# Altium PCB DeutschPCB.PcbDoc (part 2 of 2) (continued)
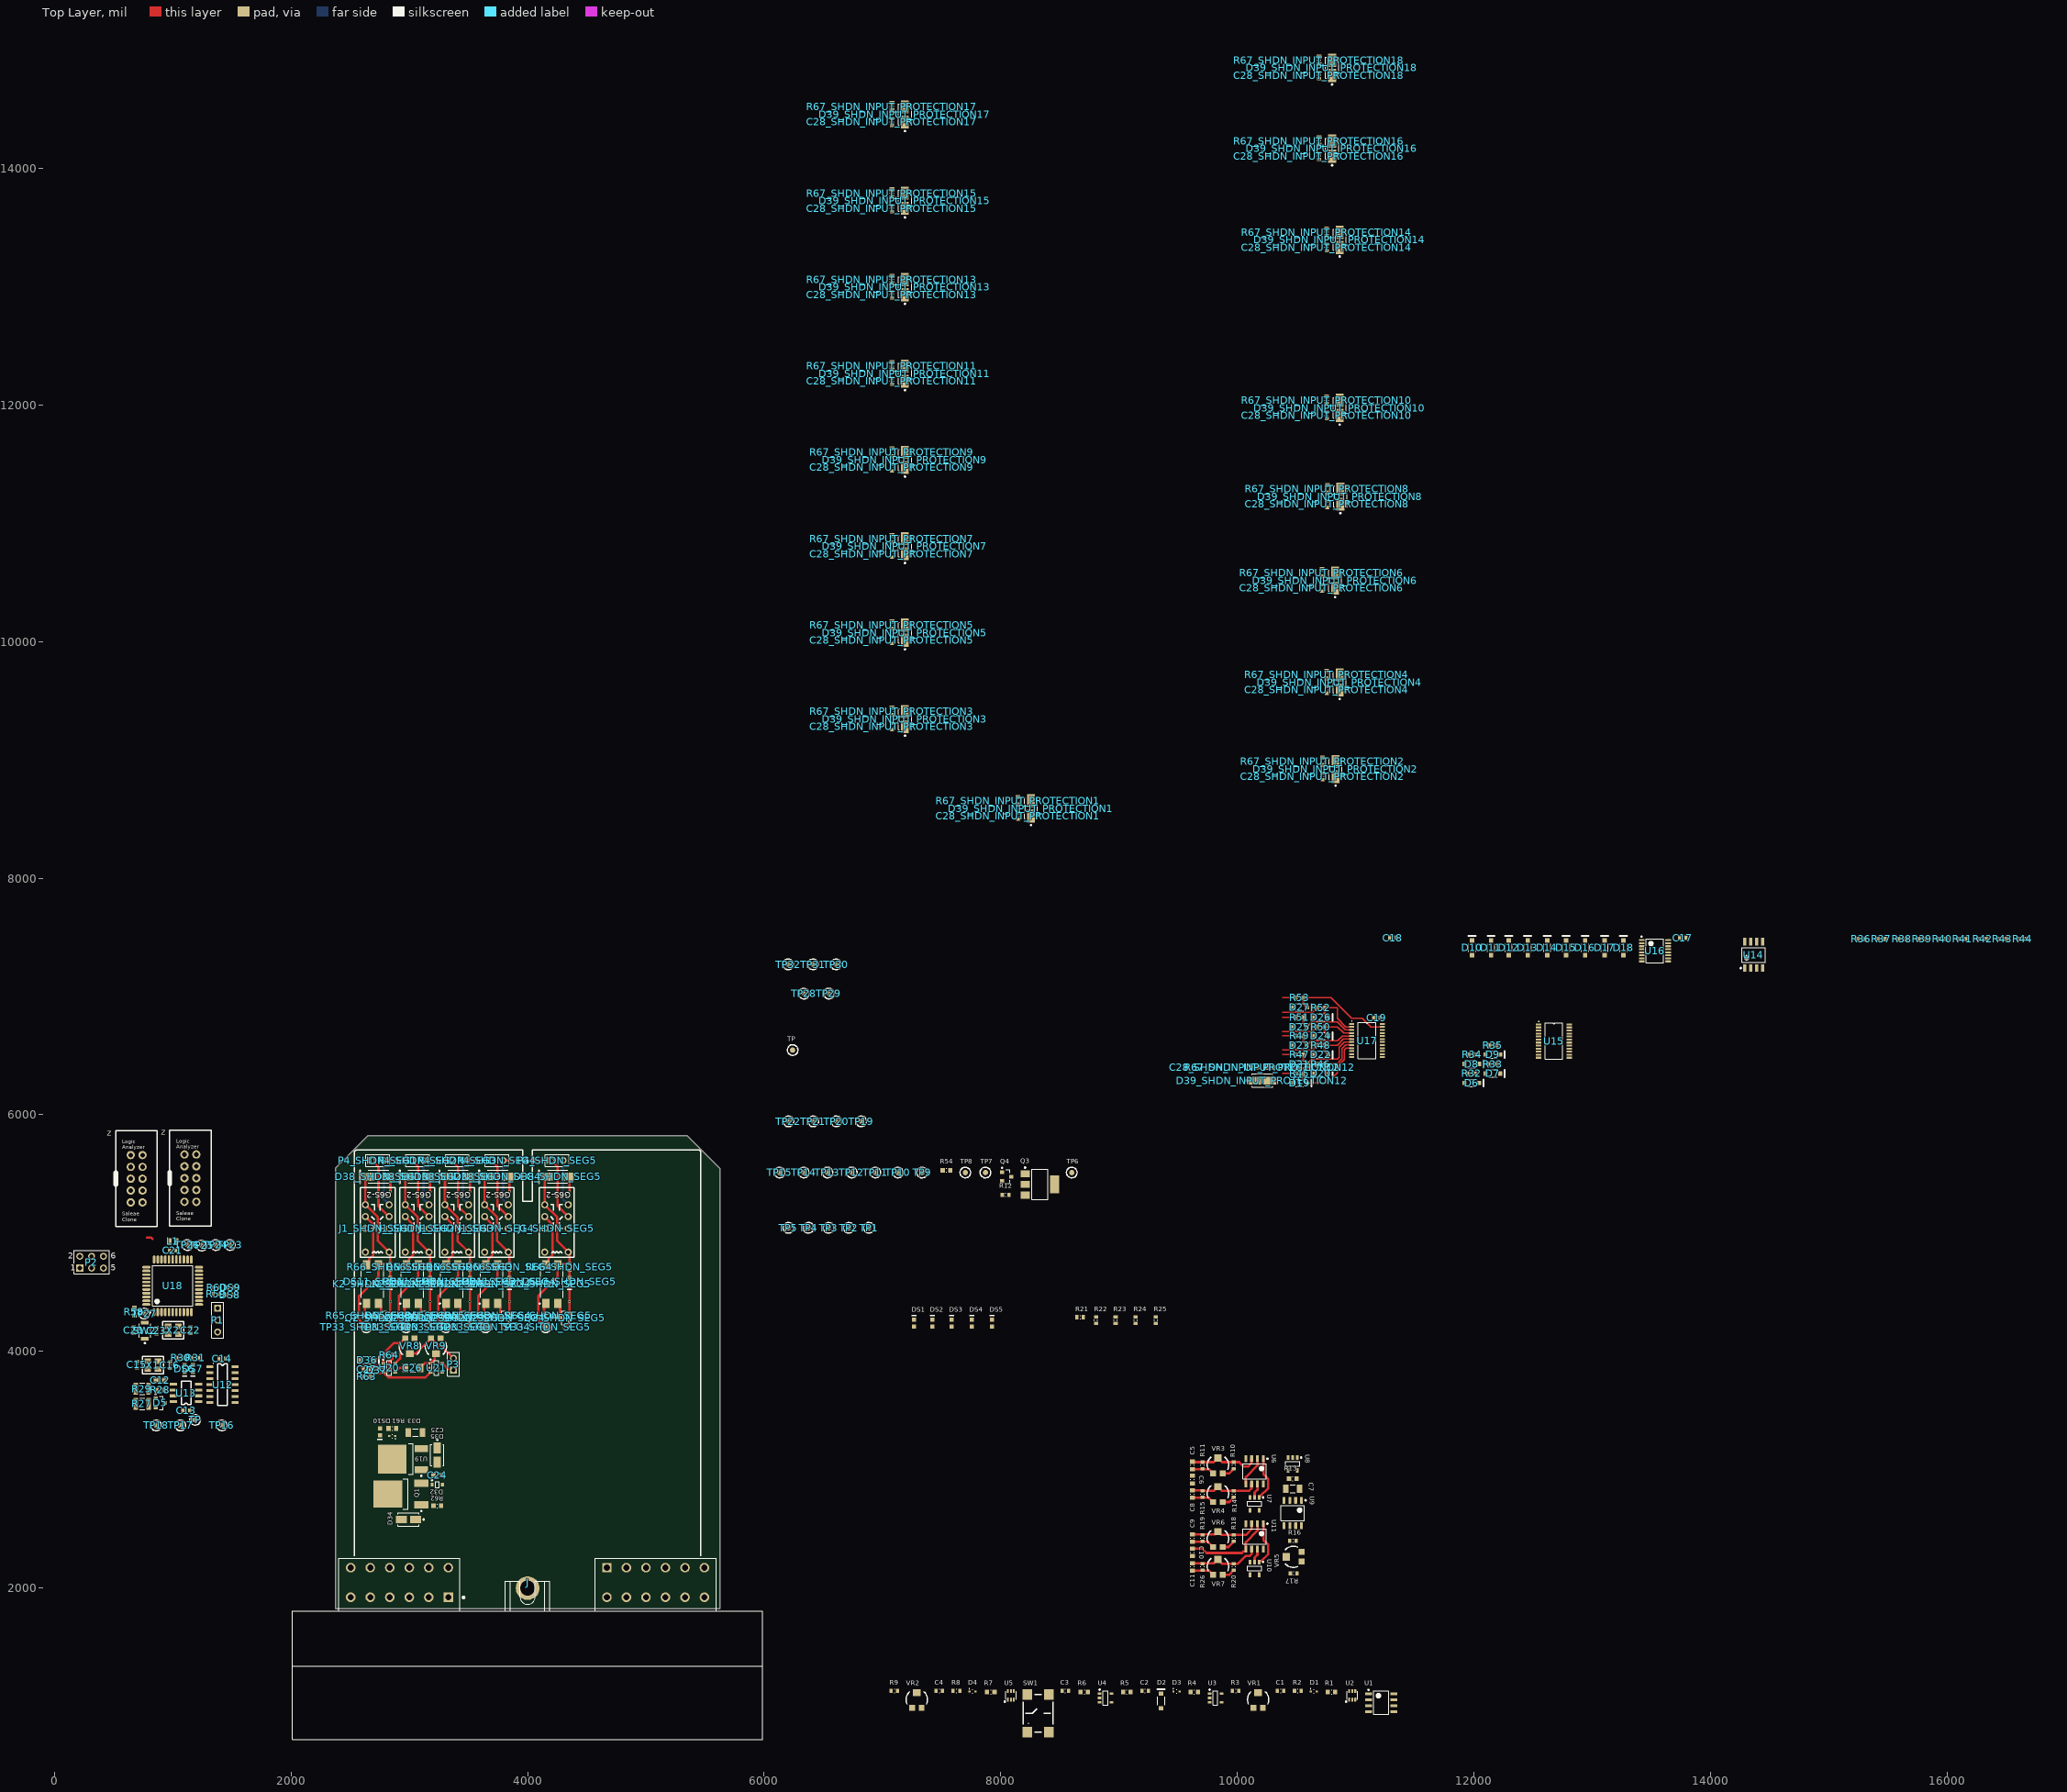
[diagram p0: Top Layer view]
## Nets (pads, with @x,y where several pads share a name; then routed paths per layer and width w, separated by ;. In a path a pad name is that pad's centre, name@x,y a point inside that pad or via, vN(x,y) a via of type N, cw(c..) or ccw(c..) an arc to the next point about the centre after c; other vN are vias at no path point) (continued)
  Top Layer w20: D36.1@2582.44,3926.65 2582.44,3881.1 2604.17,3859.37 2608.11,3859.37 2611.89,3855.59 C27.2@2611.89,3851.65 ; D37.2@2724.45,3815.67 2766.73,3815.67 2775.31,3824.25 U20.3@2780.24,3824.25 U20.3@2785.16,3824.25 ; D38_SHDN_SEG1.1@2824.02,5477.44 2840,5461.46 v2(2840,5350) v2@2840,5345 ; Q2_SHDN_SEG1.2@2838.74,4322.4 2839.37,4323.03 v1@2839.37,4420 ; DS11_SHDN_SEG1.2@2839.37,4560 v1@2839.37,4420 ; v1@2840,4425 v1(2840,4422.81) 2840,4420.63 v1@2839.37,4420 ; R64.1@2860.94,3971.65 2856.78,3967.49 2856.78,3935.99 2832.28,3911.5 2832.28,3846.5 2810.04,3824.25 U20.3@2785.16,3824.25 ; D38_SHDN_SEG2.1@3160.63,5477.44 3176.61,5461.46 v2(3176.61,5350) v2@3176.61,5345 ; Q2_SHDN_SEG2.2@3175.35,4322.4 3175.98,4323.03 v1@3175.98,4420 ; DS11_SHDN_SEG2.2@3175.98,4560 v1@3175.98,4420 ; v1@3176.61,4425 v1(3176.61,4422.81) 3176.61,4420.63 v1@3175.98,4420 ; U21.3@3179.25,3824.25 3174.33,3824.25 3173.5,3823.43 3173.5,3818.5 3136.65,3781.65 2822.83,3781.65 2785.98,3818.5 2785.98,3823.43 U20.3@2785.16,3824.25 ; D38_SHDN_SEG3.1@3495.91,5477.44 3511.89,5461.46 v2(3511.89,5350) v2@3511.89,5345 ; Q2_SHDN_SEG3.2@3510.63,4322.4 3511.26,4323.03 v1@3511.26,4420 ; DS11_SHDN_SEG3.2@3511.26,4560 v1@3511.26,4420 ; v1@3511.89,4425 v1(3511.89,4422.81) 3511.89,4420.63 v1@3511.26,4420 ; D38_SHDN_SEG4.1@3831.46,5477.44 3847.44,5461.46 v2(3847.44,5350) v2@3847.44,5345 ; Q2_SHDN_SEG4.2@3846.18,4322.4 3846.81,4323.03 v1@3846.81,4420 ; DS11_SHDN_SEG4.2@3846.81,4560 v1@3846.81,4420 ; v1@3847.44,4425 v1(3847.44,4422.81) 3847.44,4420.63 v1@3846.81,4420 ; D38_SHDN_SEG5.1@4339.02,5477.44 4355,5461.46 v2(4355,5350) v2@4355,5345 ; Q2_SHDN_SEG5.2@4353.74,4322.4 4354.37,4323.03 v1@4354.37,4420 ; DS11_SHDN_SEG5.2@4354.37,4560 v1@4354.37,4420 ; v1@4355,4425 v1(4355,4422.81) 4355,4420.63 v1@4354.37,4420 ; C11.2@9620,2148.29 9759,2148.29 VR7.3@9795,2112.28 ; C9.2@9620,2390.79 9697.13,2390.79 9701.06,2394.72 R19.1@9705,2394.72 9708.94,2390.79 9751.5,2390.79 VR6.3@9795,2347.28 ; C8.2@9620,2763.29 9759,2763.29 VR4.3@9795,2727.28 ; C5.2@9620,3005.79 9759,3005.79 VR3.3@9795,2969.78
LED_SHDN_SEG1: DS11_SHDN_SEG1.1 R66_SHDN_SEG1.1 | length 67.4
  Top Layer w20: DS11_SHDN_SEG1.1@2839.37,4620 R66_SHDN_SEG1.1@2839.37,4687.44
LED_SHDN_SEG2: DS11_SHDN_SEG2.1 R66_SHDN_SEG2.1 | length 67.4
  Top Layer w20: DS11_SHDN_SEG2.1@3175.98,4620 R66_SHDN_SEG2.1@3175.98,4687.44
LED_SHDN_SEG3: DS11_SHDN_SEG3.1 R66_SHDN_SEG3.1 | length 67.4
  Top Layer w20: DS11_SHDN_SEG3.1@3511.26,4620 R66_SHDN_SEG3.1@3511.26,4687.44
LED_SHDN_SEG4: DS11_SHDN_SEG4.1 R66_SHDN_SEG4.1 | length 67.4
  Top Layer w20: DS11_SHDN_SEG4.1@3846.81,4620 R66_SHDN_SEG4.1@3846.81,4687.44
LED_SHDN_SEG5: DS11_SHDN_SEG5.1 R66_SHDN_SEG5.1 | length 67.4
  Top Layer w20: DS11_SHDN_SEG5.1@4354.37,4620 R66_SHDN_SEG5.1@4354.37,4687.44
LEM_ADJ_HIGH: C9.1 R18.1 R19.2 TP13.1 U11.3 VR6.2 | length 591.3
  Top Layer w20: C9.1@9620,2453.78 9701.06,2453.78 R19.2@9705,2449.84 9708.94,2453.78 9809,2453.78 9832.5,2477.28 VR6.2@9835,2477.28 9837.5,2477.28 9864.94,2449.84 R18.1@9970,2449.84 10072.56,2449.84 10120,2497.28 U11.3@10120,2544.57
LEM_ADJ_LOW: C11.1 R20.1 R26.2 TP14.1 U11.6 VR7.2 | length 604.6
  Top Layer w20: C11.1@9620,2211.28 9801.5,2211.28 9832.5,2242.28 VR7.2@9835,2242.28 9837.5,2242.28 9857.5,2222.28 9857.5,2219.78 9869.94,2207.34 R20.1@9970,2207.34 10005.06,2207.34 10070,2272.28 10105,2272.28 10120,2287.28 U11.6@10120,2330
LEM_IN: C10.1 R43.1 U5.4 U11.2 U11.5 | length 744.5
  Top Layer w20: C10.1@9620,2333.78 9703.5,2333.78 9740,2297.28 10037.28,2297.28 10051.46,2311.46 10068.19,2311.46 10070,2313.27 U11.5@10070,2330 10070,2387.28 10170,2487.28 U11.2@10170,2544.57
LEM_IN_BUFFERED: TP4.1 U1.6 U1.7 U5.3
LEM_IN_RAW: C4.1 D4.1 J.A12 R7.2 U1.5
LEM_OP: U8.2 U10.4
LEM_OP_HIGH: DS3.2 TP12.1 U10.1 U11.1 | length 383.4
  Top Layer w20: U10.1@10182.5,2221.08 10182.5,2228.95 10184.31,2230.76 10203.48,2230.76 10260,2287.28 10260,2367.28 10220,2407.28 U11.1@10220,2544.57
LEM_OP_HIGH_INDICATOR: DS3.1 R23.1
LEM_OP_LOW: DS4.2 TP15.1 U10.2 U11.7 | length 119.2
  Top Layer w20: U10.2@10145.1,2221.08 10145.1,2257.38 10168.19,2280.47 10168.19,2328.19 U11.7@10170,2330
LEM_OP_LOW_INDICATOR: DS4.1 R24.1
LEM_SIM: R8.1 R9.2 TP5.1 U5.1 VR2.2
MCU_AREF: U18.29
MCU_AVCC: C21.1 L1.1 U18.27
MCU_CLK: P2.3 U12.10 U18.3 Z.3@645,5560
MCU_LED_A: R59.2 U18.15
MCU_LED_A_LED: DS8.1 R59.1
MCU_LED_B: R60.2 U18.16
MCU_LED_B_LED: DS9.1 R60.1
MCU_MISO: P2.1 U12.12 U18.2 Z.2@745,5660
MCU_MOSI: P2.4 U12.11 U18.1 Z.1@645,5660
MCU_PA2: U18.35
MCU_PA3: U18.34
MCU_PA4: U18.33
MCU_PA5: U18.32
MCU_PA6: U18.31
MCU_PA7: U18.30
MCU_PB4: U18.44
MCU_PC0: U18.19
MCU_PC1: U18.20
MCU_PC2: U18.21
MCU_PC3: U18.22
MCU_PD2: U18.11
MCU_PD3: U18.12
MCU_PD4: U18.13
MCU_PD5: U18.14
MCU_RESET: C20.1 P2.5 R58.1 SW2.2 TP27.1 U18.4
MCU_UART_RX: P1.3 U18.9 Z.5@1100,5465
MCU_UART_TX: P1.2 U18.10 Z.6@1200,5465
MCU_XTAL_1: C22.2 U18.8 X2.1
MCU_XTAL_2: C23.2 U18.7 X2.3
MUX_A_0: U15.10 U16.15
MUX_A_1: U15.11 U16.1
MUX_A_2: U15.14 U16.2
MUX_A_3: U15.13 U16.3
MUX_A_SENSE: TP20.1 U14.3 U15.1
MUX_A_UNUSED1: U15.18
MUX_A_UNUSED2: U15.17
MUX_A_UNUSED3: U15.16
MUX_B_0: U16.4 U17.10
MUX_B_1: U16.5 U17.11
MUX_B_2: U16.6 U17.14
MUX_B_3: U16.7 U17.13
MUX_B_SENSE: TP21.1 U14.5 U17.1
MUX_B_UNUSED1: U17.22
MUX_B_UNUSED2: U17.21
MUX_B_UNUSED3: U17.20
MUX_B_UNUSED4: U17.19
MUX_B_UNUSED5: U17.18
MUX_B_UNUSED6: U17.17
MUX_B_UNUSED7: U17.16
MUX_BRAKE_OVERTRAVEL: D27.2 R53.2 U17.23 | length 863.5
  Top Layer w10: R53.2@10556.65,6989.13 10790.87,6989.13 10965,6815 11055,6815 11127.05,6742.95 U17.23@11225,6742.95
  Top Layer w20: R53.2@10556.65,6989.13 10556.65,6939.65 10578.46,6917.84 10579.45,6917.84 10587.17,6910.12 D27.2@10587.17,6909.13
MUX_BRK_PRS_IN: D16.2 R42.2 U15.21
MUX_BSPD_TEST: D18.2 R44.2 U15.19
MUX_DASH_INERTIA: D26.2 R52.2 U17.2 | length 440.7
  Top Layer w10: R52.2@10736.65,6904.13 10844.13,6904.13 10844.13,6815 10916.18,6742.95 U17.2@10965.16,6742.95
  Top Layer w20: R52.2@10736.65,6904.13 10736.65,6854.65 10758.46,6832.84 10759.45,6832.84 10767.17,6825.12 D26.2@10767.17,6824.13
MUX_ESTOP_DASH: D25.2 R51.2 U17.3 | length 515.7
  Top Layer w10: D25.2@10587.17,6744.13 10587.17,6745.12 10599.88,6757.84 10600.87,6757.84 10628.03,6785 10844.13,6785 10911.77,6717.36 U17.3@10965.16,6717.36
  Top Layer w20: R51.2@10556.65,6824.13 10556.65,6774.65 10578.46,6752.84 10579.45,6752.84 D25.2@10587.17,6745.12
MUX_ESTOP_LEFT: D23.2 R49.2 U17.5 | length 500.7
  Top Layer w10: D23.2@10587.17,6589.13 10587.17,6590.12 10599.88,6602.84 10600.87,6602.84 10623.03,6625 10845,6625 10886.18,6666.18 U17.5@10965.16,6666.18
  Top Layer w20: R49.2@10556.65,6667.09 10556.65,6619.65 10578.46,6597.84 10579.45,6597.84 D23.2@10587.17,6590.12
MUX_ESTOP_RIGHT: D24.2 R50.2 U17.4 | length 340.5
  Top Layer w10: R50.2@10736.65,6744.13 10845,6744.13 10897.36,6691.77 U17.4@10965.16,6691.77
  Top Layer w20: R50.2@10736.65,6744.13 10736.65,6697.6 10758.46,6675.79 10759.45,6675.79 10767.17,6668.07 D24.2@10767.17,6667.09
MUX_INPUT_BMS: D8.2 R34.2 U15.7
MUX_INPUT_BSPD: D10.2 R36.2 U15.5
MUX_INPUT_HVD: D6.2 R32.2 U15.9
MUX_INPUT_IMD: D7.2 R33.2 U15.8
MUX_INPUT_PDOC: D9.2 R35.2 U15.6
MUX_LEM_IN: D17.2 R43.2 U15.20
MUX_SENSE_BMS: D13.2 R39.2 U15.2
MUX_SENSE_BSPD: D15.2 R41.2 U15.22
MUX_SENSE_HVD: D11.2 R37.2 U15.4
MUX_SENSE_IMD: D12.2 R38.2 U15.3
MUX_SENSE_PDOC: D14.2 R40.2 U15.23
MUX_SHIFT_CLK: TP26.1 U16.11 U18.26 Z.4@1200,5565
MUX_SHIFT_DATA: TP24.1 U16.14 U18.24 Z.2@1200,5665
MUX_SHIFT_LATCH: TP25.1 U16.12 U18.25 Z.3@1100,5565
MUX_SHIFT_OUT: U16.9
MUX_SHIFT_RESET: TP23.1 U16.10 U18.23 Z.1@1100,5665
MUX_UPRIGHT_BL: D19.2 R45.2 U17.9 | length 671.7
  Top Layer w10: D19.2@10587.17,6269.13 10759.13,6269.13 10845,6355 10845,6405.85 10905,6465.85 10905,6548.82 10920,6563.82 U17.9@10965.16,6563.82
  Top Layer w20: R45.2@10556.65,6349.13 10556.65,6299.65 10578.46,6277.84 10579.45,6277.84 10587.17,6270.12 D19.2@10587.17,6269.13
MUX_UPRIGHT_BR: D20.2 R46.2 U17.8 | length 437.3
  Top Layer w10: R46.2@10736.65,6434.13 10845,6434.13 10885,6474.13 10885,6560.12 10914.29,6589.41 U17.8@10965.16,6589.41
  Top Layer w20: R46.2@10736.65,6434.13 10736.65,6369.65 10748.46,6357.84 10749.45,6357.84 10757.17,6350.12 D20.2@10757.17,6349.13
MUX_UPRIGHT_FL: D21.2 R47.2 U17.7 | length 597.6
  Top Layer w10: D21.2@10587.17,6429.13 10587.17,6430.12 10599.88,6442.84 10600.87,6442.84 10628.03,6470 10845,6470 10860,6485 10860,6570 10905,6615 U17.7@10965.16,6615
  Top Layer w20: R47.2@10556.65,6509.13 10556.65,6459.65 10578.46,6437.84 10579.45,6437.84 D21.2@10587.17,6430.12
MUX_UPRIGHT_FR: D22.2 R48.2 U17.6 | length 343
  Top Layer w10: R48.2@10736.65,6589.13 10845,6589.13 10896.46,6640.59 U17.6@10965.16,6640.59
  Top Layer w20: R48.2@10736.65,6589.13 10736.65,6539.65 10758.46,6517.84 10759.45,6517.84 10767.17,6510.12 D22.2@10767.17,6509.13
NetC26_1: C26.1 TP32.1 U21.1 VR9.2 | length 212.8
  Top Layer w20: C26.1@3092.44,3861.65 3092.44,3872.48 3109.02,3889.05 3119.84,3889.05 3129.84,3899.05 U21.1@3179.25,3899.05 3184.17,3899.05 3185,3899.88 3185,3904.8 3213.57,3933.37 3213.57,3970.77 VR9.2@3224.45,3981.65
NetC26_2: C26.2 U20.4 | length 104.2
  Top Layer w20: U20.4@2880.63,3824.25 2885.55,3824.25 2886.38,3825.08 2886.38,3830 2918.03,3861.65 C26.2@2966.46,3861.65
NetP3_2: P3.2 TP30.1 VR8.2 VR9.1 | length 494.3
  Top Layer w20: VR8.2@3004.45,3981.65 3005.23,3982.44 3055.23,3982.44 VR9.1@3184.45,4111.65 3249.45,4046.65 3269.45,4046.65 P3.2@3374.45,3941.65
PWR_ONLED: DS10.1 R61.1
PWR_PLRTY: D32.2 Q1.1 R62.2
SHDN_BPSD_TEST: J.A6 R4.2
SHDN_BSPD_BOOST: Q3.1 Q4.3 R12.1
SHDN_BSPD_SIG: Q4.1 R54.2 TP7.1 U9.1
SHDN_BSPD_TEST_COMMAND: R44.1 TP3.1 U2.6 U3.4 U4.4 U5.6
SHDN_BSPD_TEST_PROTECTED: C2.1 D2.2 D3.1 R4.1 U3.2
SHDN_BSPD_TEST_SCHMITT_UNUSED: U3.1
SHDN_IN1: J1_SHDN_SEG1.4 J.B1 P4_SHDN_SEG1.1 | length 535.1
  Top Layer w20: P4_SHDN_SEG1.1@2684.37,5615 2739.37,5560 2739.37,5230 J1_SHDN_SEG1.4@2829.37,5140
SHDN_IN2: J1_SHDN_SEG1.5 J1_SHDN_SEG2.4 P4_SHDN_SEG1.2 P4_SHDN_SEG2.1 | length 1154.3
  Top Layer w20: P4_SHDN_SEG1.2@2804.37,5615 P4_SHDN_SEG2.1@3030,5615 ; P4_SHDN_SEG2.1@3020.98,5615 3075.98,5560 3075.98,5230 J1_SHDN_SEG2.4@3165.98,5140
  Bottom Layer w20: P4_SHDN_SEG1.2@2784.37,5615 2784.37,5285 J1_SHDN_SEG1.5@2829.37,5240
SHDN_IN3: J1_SHDN_SEG2.5 J1_SHDN_SEG3.4 P4_SHDN_SEG2.2 P4_SHDN_SEG3.1 | length 1158.7
  Top Layer w20: P4_SHDN_SEG2.2@3130,5615 P4_SHDN_SEG3.1@3360,5615 ; P4_SHDN_SEG3.1@3356.26,5615 3411.26,5560 3411.26,5230 J1_SHDN_SEG3.4@3501.26,5140
  Bottom Layer w20: P4_SHDN_SEG2.2@3120.98,5615 3120.98,5285 J1_SHDN_SEG2.5@3165.98,5240
SHDN_IN4: J1_SHDN_SEG3.5 J1_SHDN_SEG4.4 P4_SHDN_SEG3.2 P4_SHDN_SEG4.1 | length 1153.7
  Top Layer w20: P4_SHDN_SEG3.2@3460,5615 P4_SHDN_SEG4.1@3685,5615 ; P4_SHDN_SEG4.1@3691.81,5615 3746.81,5560 3746.81,5230 J1_SHDN_SEG4.4@3836.81,5140
  Bottom Layer w20: P4_SHDN_SEG3.2@3456.26,5615 3456.26,5285 J1_SHDN_SEG3.5@3501.26,5240
SHDN_IN5: J1_SHDN_SEG4.5 J1_SHDN_SEG5.4 P4_SHDN_SEG4.2 P4_SHDN_SEG5.1 | length 1323.7
  Top Layer w20: P4_SHDN_SEG4.2@3785,5615 P4_SHDN_SEG5.1@4180,5615 ; P4_SHDN_SEG5.1@4199.37,5615 4254.37,5560 4254.37,5230 J1_SHDN_SEG5.4@4344.37,5140
  Bottom Layer w20: P4_SHDN_SEG4.2@3791.81,5615 3791.81,5285 J1_SHDN_SEG4.5@3836.81,5240
SHDN_LINE_SHDN_SEG1: J1_SHDN_SEG1.3
SHDN_LINE_SHDN_SEG2: J1_SHDN_SEG2.3
SHDN_LINE_SHDN_SEG3: J1_SHDN_SEG3.3
SHDN_LINE_SHDN_SEG4: J1_SHDN_SEG4.3
SHDN_LINE_SHDN_SEG5: J1_SHDN_SEG5.3
SHDN_OUT5: J1_SHDN_SEG5.5 J.B2 P4_SHDN_SEG5.2 | length 393.6
  Bottom Layer w20: P4_SHDN_SEG5.2@4299.37,5615 4299.37,5285 J1_SHDN_SEG5.5@4344.37,5240
SHDN_SEG_LATCH: C27.1 D36.2 D37.1 Q2_SHDN_SEG1.1 Q2_SHDN_SEG2.1 Q2_SHDN_SEG3.1 Q2_SHDN_SEG4.1 Q2_SHDN_SEG5.1 R63.2 TP31.1 U20.2 U21.4 | length 600
  Top Layer w20: R63.2@2670.94,3786.65 2670.94,3843.78 2667.01,3847.72 C27.1@2667.01,3851.65 2667.01,3855.59 2670.79,3859.37 2674.72,3859.37 2682.99,3867.64 D37.1@2724.45,3867.64 ; D36.2@2706.46,3926.65 2706.46,3885.63 D37.1@2724.45,3867.64 ; U20.2@2780.24,3861.65 2730.43,3861.65 D37.1@2724.45,3867.64 ; v1(2790,4200) 2791.14,4200 Q2_SHDN_SEG1.1@2838.74,4247.6 ; v1(3126.61,4200) 3127.76,4200 Q2_SHDN_SEG2.1@3175.35,4247.6 ; v1(3461.89,4200) 3463.03,4200 Q2_SHDN_SEG3.1@3510.63,4247.6 ; v1(3797.44,4200) 3798.58,4200 Q2_SHDN_SEG4.1@3846.18,4247.6 ; v1(4305,4200) 4306.14,4200 Q2_SHDN_SEG5.1@4353.74,4247.6
SHDN_SENSE_A: TP19.1 U14.1 U14.2 U18.37
SHDN_SENSE_B: TP22.1 U14.6 U14.7 U18.36
SHDN_STATE_SHDN_SEG1: J1_SHDN_SEG1.10
SHDN_STATE_SHDN_SEG2: J1_SHDN_SEG2.10
SHDN_STATE_SHDN_SEG3: J1_SHDN_SEG3.10
SHDN_STATE_SHDN_SEG4: J1_SHDN_SEG4.10
SHDN_STATE_SHDN_SEG5: J1_SHDN_SEG5.10
SHDN_TEST_BSPD_BTN: R5.1 R6.2 SW1.1 SW1.2
SHDN_TEST_BSPD_BUFFER_UNUSED: U4.1
SHDN_TEST_BSPD_SWITCH: C3.1 R6.1 U4.2
SIGNAL_IN1: C28_SHDN_INPUT_PROTECTION1.1 D39_SHDN_INPUT_PROTECTION1.2 J.A5 R63.1 R67_SHDN_INPUT_PROTECTION1.2
SIGNAL_IN2: C28_SHDN_INPUT_PROTECTION2.1 D39_SHDN_INPUT_PROTECTION2.2 J.A7 R32.1 R67_SHDN_INPUT_PROTECTION2.2
SIGNAL_IN3: C28_SHDN_INPUT_PROTECTION3.1 D39_SHDN_INPUT_PROTECTION3.2 J.A8 R33.1 R67_SHDN_INPUT_PROTECTION3.2
SIGNAL_IN4: C28_SHDN_INPUT_PROTECTION4.1 D39_SHDN_INPUT_PROTECTION4.2 J.A9 R34.1 R67_SHDN_INPUT_PROTECTION4.2
SIGNAL_IN5: C28_SHDN_INPUT_PROTECTION5.1 D39_SHDN_INPUT_PROTECTION5.2 J.A10 R35.1 R67_SHDN_INPUT_PROTECTION5.2
SIGNAL_IN6: C28_SHDN_INPUT_PROTECTION6.1 D39_SHDN_INPUT_PROTECTION6.2 J.B11 R53.1 R67_SHDN_INPUT_PROTECTION6.2 | length 113.7
  Top Layer w10: 10380,6989.13 R53.1@10493.66,6989.13
SIGNAL_IN7: C28_SHDN_INPUT_PROTECTION7.1 D39_SHDN_INPUT_PROTECTION7.2 J.B10 R52.1 R67_SHDN_INPUT_PROTECTION7.2 | length 310
  Top Layer w10: 10380.98,6865 10634.53,6865 10658.98,6889.45 10660.94,6889.45 10673.66,6902.17 R52.1@10673.66,6904.13
SIGNAL_IN8: C28_SHDN_INPUT_PROTECTION8.1 D39_SHDN_INPUT_PROTECTION8.2 J.B9 R51.1 R67_SHDN_INPUT_PROTECTION8.2 | length 112.7
  Top Layer w10: 10380.98,6824.13 R51.1@10493.66,6824.13
SIGNAL_IN9: C28_SHDN_INPUT_PROTECTION9.1 D39_SHDN_INPUT_PROTECTION9.2 J.B8 R50.1 R67_SHDN_INPUT_PROTECTION9.2 | length 311
  Top Layer w10: 10380,6705 10634.53,6705 10658.98,6729.45 10660.94,6729.45 10673.66,6742.17 R50.1@10673.66,6744.13
SIGNAL_IN10: C28_SHDN_INPUT_PROTECTION10.1 D39_SHDN_INPUT_PROTECTION10.2 J.B7 R49.1 R67_SHDN_INPUT_PROTECTION10.2 | length 113.7
  Top Layer w10: 10380,6667.09 R49.1@10493.66,6667.09
SIGNAL_IN11: C28_SHDN_INPUT_PROTECTION11.1 D39_SHDN_INPUT_PROTECTION11.2 J.B6 R46.1 R67_SHDN_INPUT_PROTECTION11.2 | length 313.1
  Top Layer w10: 10380,6390 10629.53,6390 10658.98,6419.45 10660.94,6419.45 10673.66,6432.17 R46.1@10673.66,6434.13
SIGNAL_IN12: C28_SHDN_INPUT_PROTECTION12.1 D39_SHDN_INPUT_PROTECTION12.2 J.B5 R45.1 R67_SHDN_INPUT_PROTECTION12.2 | length 113.7
  Top Layer w10: 10380,6349.13 R45.1@10493.66,6349.13
SIGNAL_IN13: C28_SHDN_INPUT_PROTECTION13.1 D39_SHDN_INPUT_PROTECTION13.2 J.B4 R48.1 R67_SHDN_INPUT_PROTECTION13.2 | length 311
  Top Layer w10: 10380,6550 10634.53,6550 10658.98,6574.45 10660.94,6574.45 10673.66,6587.17 R48.1@10673.66,6589.13
SIGNAL_IN14: C28_SHDN_INPUT_PROTECTION14.1 D39_SHDN_INPUT_PROTECTION14.2 J.B3 R47.1 R67_SHDN_INPUT_PROTECTION14.2 | length 113.7
  Top Layer w10: 10380,6509.13 R47.1@10493.66,6509.13
SIGNAL_IN15: C28_SHDN_INPUT_PROTECTION15.1 D39_SHDN_INPUT_PROTECTION15.2 R67_SHDN_INPUT_PROTECTION15.2
SIGNAL_IN16: C28_SHDN_INPUT_PROTECTION16.1 D39_SHDN_INPUT_PROTECTION16.2 R67_SHDN_INPUT_PROTECTION16.2
SIGNAL_IN17: C28_SHDN_INPUT_PROTECTION17.1 D39_SHDN_INPUT_PROTECTION17.2 R67_SHDN_INPUT_PROTECTION17.2
SIGNAL_IN18: C28_SHDN_INPUT_PROTECTION18.1 D39_SHDN_INPUT_PROTECTION18.2 R67_SHDN_INPUT_PROTECTION18.2
SSR_GND_SHDN_SEG1: K2_SHDN_SEG1.2 Q2_SHDN_SEG1.3 | length 130.2
  Top Layer w20: K2_SHDN_SEG1.2@2739.37,4406.61 2760,4385.98 Q2_SHDN_SEG1.3@2760,4285
SSR_GND_SHDN_SEG2: K2_SHDN_SEG2.2 Q2_SHDN_SEG2.3 | length 130.2
  Top Layer w20: K2_SHDN_SEG2.2@3075.98,4406.61 3096.61,4385.98 Q2_SHDN_SEG2.3@3096.61,4285
SSR_GND_SHDN_SEG3: K2_SHDN_SEG3.2 Q2_SHDN_SEG3.3 | length 130.2
  Top Layer w20: K2_SHDN_SEG3.2@3411.26,4406.61 3431.89,4385.98 Q2_SHDN_SEG3.3@3431.89,4285
SSR_GND_SHDN_SEG4: K2_SHDN_SEG4.2 Q2_SHDN_SEG4.3 | length 130.2
  Top Layer w20: K2_SHDN_SEG4.2@3746.81,4406.61 3767.44,4385.98 Q2_SHDN_SEG4.3@3767.44,4285
SSR_GND_SHDN_SEG5: K2_SHDN_SEG5.2 Q2_SHDN_SEG5.3 | length 130.2
  Top Layer w20: K2_SHDN_SEG5.2@4254.37,4406.61 4275,4385.98 Q2_SHDN_SEG5.3@4275,4285
SSR_PWR_SHDN_SEG1: K2_SHDN_SEG1.1 R65_SHDN_SEG1.2 | length 108
  Top Layer w20: R65_SHDN_SEG1.2@2623.94,4305 2623.94,4391.18 K2_SHDN_SEG1.1@2639.37,4406.61
SSR_PWR_SHDN_SEG2: K2_SHDN_SEG2.1 R65_SHDN_SEG2.2 | length 108
  Top Layer w20: R65_SHDN_SEG2.2@2960.55,4305 2960.55,4391.18 K2_SHDN_SEG2.1@2975.98,4406.61
SSR_PWR_SHDN_SEG3: K2_SHDN_SEG3.1 R65_SHDN_SEG3.2 | length 108
  Top Layer w20: R65_SHDN_SEG3.2@3295.83,4305 3295.83,4391.18 K2_SHDN_SEG3.1@3311.26,4406.61
SSR_PWR_SHDN_SEG4: K2_SHDN_SEG4.1 R65_SHDN_SEG4.2 | length 108
  Top Layer w20: R65_SHDN_SEG4.2@3631.38,4305 3631.38,4391.18 K2_SHDN_SEG4.1@3646.81,4406.61
SSR_PWR_SHDN_SEG5: K2_SHDN_SEG5.1 R65_SHDN_SEG5.2 | length 108
  Top Layer w20: R65_SHDN_SEG5.2@4138.94,4305 4138.94,4391.18 K2_SHDN_SEG5.1@4154.37,4406.61
STATE_SENSE1: D38_SHDN_SEG1.2 J1_SHDN_SEG1.1 J1_SHDN_SEG1.8 K2_SHDN_SEG1.3 R37.1 R66_SHDN_SEG1.2 TP33_SHDN_SEG1.1 | length 1558
  Top Layer w20: TP33_SHDN_SEG1.1@2635,4205 2575,4265 2575,4470 2739.37,4634.37 K2_SHDN_SEG1.3@2739.37,4733.39 2748.54,4742.56 R66_SHDN_SEG1.2@2839.37,4742.56 2839.37,4819.18 2829.37,4829.18 J1_SHDN_SEG1.1@2829.37,4840 2735,4934.37 2735,5134.37 J1_SHDN_SEG1.8@2629.37,5240 2629.37,5452.99 2653.82,5477.44 D38_SHDN_SEG1.2@2654.72,5477.44
STATE_SENSE2: D38_SHDN_SEG2.2 J1_SHDN_SEG2.1 J1_SHDN_SEG2.8 K2_SHDN_SEG2.3 R38.1 R66_SHDN_SEG2.2 TP33_SHDN_SEG2.1 | length 1558
  Top Layer w20: TP33_SHDN_SEG2.1@2971.61,4205 2911.61,4265 2911.61,4470 3075.98,4634.37 K2_SHDN_SEG2.3@3075.98,4733.39 3085.16,4742.56 R66_SHDN_SEG2.2@3175.98,4742.56 3175.98,4819.18 3165.98,4829.18 J1_SHDN_SEG2.1@3165.98,4840 3071.61,4934.37 3071.61,5134.37 J1_SHDN_SEG2.8@2965.98,5240 2965.98,5452.99 2990.43,5477.44 D38_SHDN_SEG2.2@2991.34,5477.44
STATE_SENSE3: D38_SHDN_SEG3.2 J1_SHDN_SEG3.1 J1_SHDN_SEG3.8 K2_SHDN_SEG3.3 R39.1 R66_SHDN_SEG3.2 TP33_SHDN_SEG3.1 | length 1558
  Top Layer w20: TP33_SHDN_SEG3.1@3306.89,4205 3246.89,4265 3246.89,4470 3411.26,4634.37 K2_SHDN_SEG3.3@3411.26,4733.39 3420.43,4742.56 R66_SHDN_SEG3.2@3511.26,4742.56 3511.26,4819.18 3501.26,4829.18 J1_SHDN_SEG3.1@3501.26,4840 3406.89,4934.37 3406.89,5134.37 J1_SHDN_SEG3.8@3301.26,5240 3301.26,5452.99 3325.71,5477.44 D38_SHDN_SEG3.2@3326.61,5477.44
STATE_SENSE4: D38_SHDN_SEG4.2 J1_SHDN_SEG4.1 J1_SHDN_SEG4.8 K2_SHDN_SEG4.3 R40.1 R66_SHDN_SEG4.2 TP33_SHDN_SEG4.1 | length 1558
  Top Layer w20: TP33_SHDN_SEG4.1@3642.44,4205 3582.44,4265 3582.44,4470 3746.81,4634.37 K2_SHDN_SEG4.3@3746.81,4733.39 3755.98,4742.56 R66_SHDN_SEG4.2@3846.81,4742.56 3846.81,4819.18 3836.81,4829.18 J1_SHDN_SEG4.1@3836.81,4840 3742.44,4934.37 3742.44,5134.37 J1_SHDN_SEG4.8@3636.81,5240 3636.81,5452.99 3661.26,5477.44 D38_SHDN_SEG4.2@3662.17,5477.44
STATE_SENSE5: D38_SHDN_SEG5.2 J1_SHDN_SEG5.1 J1_SHDN_SEG5.8 K2_SHDN_SEG5.3 R41.1 R66_SHDN_SEG5.2 TP33_SHDN_SEG5.1 | length 1558
  Top Layer w20: TP33_SHDN_SEG5.1@4150,4205 4090,4265 4090,4470 4254.37,4634.37 K2_SHDN_SEG5.3@4254.37,4733.39 4263.54,4742.56 R66_SHDN_SEG5.2@4354.37,4742.56 4354.37,4819.18 4344.37,4829.18 J1_SHDN_SEG5.1@4344.37,4840 4250,4934.37 4250,5134.37 J1_SHDN_SEG5.8@4144.37,5240 4144.37,5452.99 4168.82,5477.44 D38_SHDN_SEG5.2@4169.72,5477.44
STATE_TRIGGER: J1_SHDN_SEG1.9 J1_SHDN_SEG2.9 J1_SHDN_SEG3.9 J1_SHDN_SEG4.9 J1_SHDN_SEG5.9 K2_SHDN_SEG1.4 K2_SHDN_SEG2.4 K2_SHDN_SEG3.4 K2_SHDN_SEG4.4 K2_SHDN_SEG5.4 | length 2284.2
  Top Layer w20: J1_SHDN_SEG1.9@2629.37,5140 2695,5074.37 2695,4815 2660.87,4780.87 2660.87,4754.88 K2_SHDN_SEG1.4@2639.37,4733.39 ; J1_SHDN_SEG2.9@2965.98,5140 3031.61,5074.37 3031.61,4815 2997.48,4780.87 2997.48,4754.88 K2_SHDN_SEG2.4@2975.98,4733.39 ; J1_SHDN_SEG3.9@3301.26,5140 3366.89,5074.37 3366.89,4815 3332.76,4780.87 3332.76,4754.88 K2_SHDN_SEG3.4@3311.26,4733.39 ; J1_SHDN_SEG4.9@3636.81,5140 3702.44,5074.37 3702.44,4815 3668.31,4780.87 3668.31,4754.88 K2_SHDN_SEG4.4@3646.81,4733.39 ; J1_SHDN_SEG5.9@4144.37,5140 4210,5074.37 4210,4815 4175.87,4780.87 4175.87,4754.88 K2_SHDN_SEG5.4@4154.37,4733.39
STATE_TRIGGER5: Q3.3 R36.1
VCC: D34.2 J.A1 Q1.4
pads on no net: J.B12 J.N/C U21.2 VR8.3 VR9.3 Z.7@1100,5365 Z.8 Z.9

## Silkscreen, mask and mechanical layers (free items; w line width, h text height)
Top Overlay:
  lines w10: 2535,2270 2535,5690 2550,5705 3960,5705 3960,5270 4040,5270 4040,5705 5450,5705 5465,5690 5465,2270
BoardOutline:
  the board outline again, w10
BoardKeepOut:
  lines w10: 2405,2250 2532.48,2377.48 2532.48,5705 5467.52,5705 5467.52,2377.48 5595,2250
  lines w78.74: 4000,5306.3 4000,5700

## Text inside footprints (layer, text, board x,y; h text height)
J1_SHDN_SEG1: Top Overlay "G6S-2" at 2849.37,5345 h50 r180
J1_SHDN_SEG2: Top Overlay "G6S-2" at 3185.98,5345 h50 r180
J1_SHDN_SEG3: Top Overlay "G6S-2" at 3521.26,5345 h50 r180
J1_SHDN_SEG4: Top Overlay "G6S-2" at 3856.81,5345 h50 r180
J1_SHDN_SEG5: Top Overlay "G6S-2" at 4364.37,5345 h50 r180
P2: Top Overlay "6" at 475,4785 h50; Top Overlay "5" at 475,4685 h50; Top Overlay "2" at 115,4785 h50; Top Overlay "1" at 135,4685 h50
Z: Top Overlay "Logic / Analyzer" at 1030,5715 h32; Top Overlay "Saleae / Clone" at 1030,5105 h32
Z: Top Overlay "Logic / Analyzer" at 575,5710 h32; Top Overlay "Saleae / Clone" at 575,5100 h32